# Altium PCB PCB3.PcbDoc (continued)
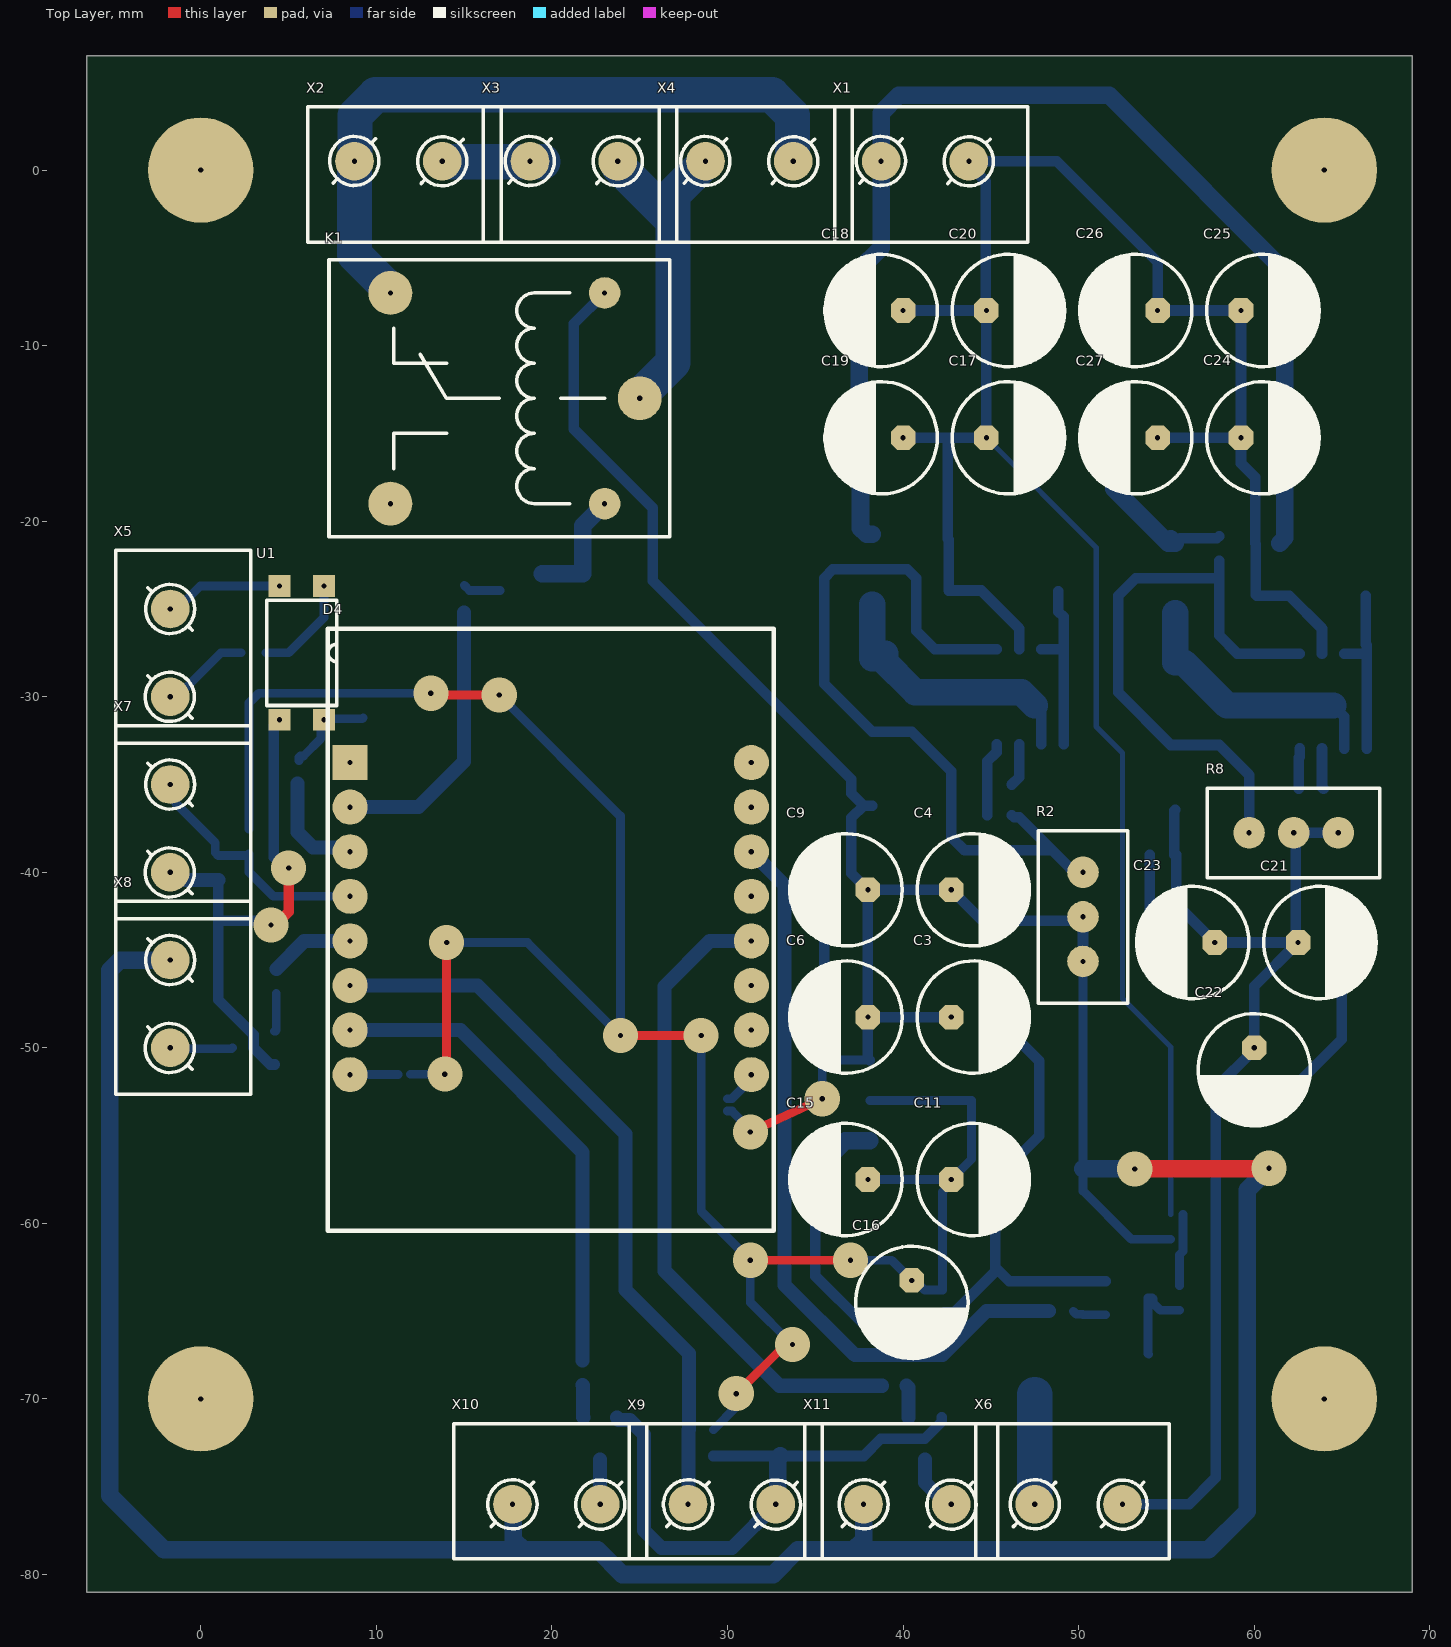
[diagram p0: Top Layer view]
## Components (designator, comment, footprint, x,y, rotation, side; value= is the part's Value field where it differs from the comment) (continued)
X3 "Terminal connector, 2pin, 3.5mm, 300VAC, 10A" "CON: DG301-5.0-02P-12-00AH" 21.6,-0.2 r180 top
X4 "Terminal connector, 2pin, 3.5mm, 300VAC, 10A" "CON: DG301-5.0-02P-12-00AH" 31.6,-0.2 r180 top
X5 "Terminal connector, 2pin, 3.5mm, 300VAC, 10A" "CON: DG301-5.0-02P-12-00AH" -1.05,-27.15 r270 top
X6 "Terminal connector, 2pin, 3.5mm, 300VAC, 10A" "CON: DG301-5.0-02P-12-00AH" 49.65,-75.3 r0 top
X7 "Terminal connector, 2pin, 3.5mm, 300VAC, 10A" "CON: DG301-5.0-02P-12-00AH" -1.05,-37.15 r270 top
X8 "Terminal connector, 2pin, 3.5mm, 300VAC, 10A" "CON: DG301-5.0-02P-12-00AH" -1.05,-47.15 r270 top
X9 "Terminal connector, 2pin, 3.5mm, 300VAC, 10A" "CON: DG301-5.0-02P-12-00AH" 29.9,-75.3 r0 top
X10 "Terminal connector, 2pin, 3.5mm, 300VAC, 10A" "CON: DG301-5.0-02P-12-00AH" 19.9,-75.3 r0 top
X11 "Terminal connector, 2pin, 3.5mm, 300VAC, 10A" "CON: DG301-5.0-02P-12-00AH" 39.9,-75.3 r0 top

## Footprints (in the part's own frame and the unit in brackets; to place one, negate y for a bottom-side part, rotate by r counter-clockwise, add the part's x,y. Pads: shape width x height; smd on the part's side, far side on the other; paste and mask are expansions set on the pad)
4-DIP [mm]
  rect 1.25x1.25 hole 0.3: 1(-3.81,1.27) 2(-3.81,-1.27) 3(3.81,-1.27) 4(3.81,1.27)
  silkscreen extent -3,-2 3,2, body extent -4.58,-2.53 4.56,2.47, height 3.3
8-SOIC [mm] "pitch 1.27 mm"
  rrect100% 1.55x0.6 smd: 1(-2.7,1.905) 2(-2.7,0.635) 3(-2.7,-0.635) 4(-2.7,-1.905) 5(2.7,-1.905) 6(2.7,-0.635) 7(2.7,0.635) 8(2.7,1.905)
  round 0.7 on Mech1: 28(-2.395,1.8)
  silkscreen extent -2.82,-2.3 1.61,2.83, body extent -3,-2.45 3,2.45, height 1.75
"CAP: 0603" [mm]
  rect 0.85x0.85 smd: 1(-0.7,0) 2(0.7,0)
  silkscreen extent -1.33,-0.63 1.33,0.63, body extent -0.8,-0.4 0.8,0.4, height 0.3
"CAP: D6.3C2.5H11" [mm]
  oct 1.4x1.4 hole 0.3: 1(-1.25,0)
  round 1.4 hole 0.3: 2(1.25,0)
  silkscreen extent -3.2,-3.2 3.2,3.2, body extent -3.4,-3.4 3.4,3.4, height 12.5
CDRH [mm]
  rect 2x3 smd: 1(-4.2,0) 2(4.2,0)
  silkscreen extent -5.5,-5.25 5.5,5.25, body extent -5.05,-4.95 5.05,4.95, height 3.8
"CON: DG301-5.0-02P-12-00AH" [mm] "Клемма винтовая 2пин 5мм."
  round 2.2 hole 0.3: 1(-2.15,-0.7) 2(2.85,-0.7)
  round 0.5 on Top Overlay: ""(-4.5,-3)
  silkscreen extent -5.5,-3.8 5.5,3.9, body extent -5.25,-3.8 5.35,3.8, height 10
"CON: JUMPER x1" [mm]
  rect 0.5x1 smd: 1(0,0) 2(0.7,0)
  silkscreen extent -0.45,-0.7 1.15,0.7
"CON: JUMPER x2" [mm]
  rect 0.5x1 smd: 1(-0.35,-1.4) 2(0.35,-1.4) 3(-0.35,0) 4(0.35,0)
  silkscreen extent -0.8,-2.1 0.8,0.7
"DIODE: SMA" [mm]
  rect 1.7x2.5 smd: 1(-2,0) 2(2,0)
  round 0.5 on Mech1: ""(2,0.9)
  silkscreen extent -3.05,-1.45 3.1,1.45, body extent -2.5,-1.35 2.5,1.35, height 2.28
DPAK [mm]
  rect 2.5x1.2 smd: 1(-3.25,2.29) 3(-3.25,-2.29)
  rect 6.25x6.5 smd: 2(3.25,0)
  round 0.5 on Mech1: ""(-3.2,2.9)
  silkscreen extent -3.33,-3.3 -0.3,3.62, body extent -3.8,-3.32 6.3,3.42, height 2.37
"ESP8266MOD D1 mini" [mm] "module"
  rect 2x2 hole 0.3: 1(-11.43,8.89)
  round 2 hole 0.3: 2(-11.43,6.35) 3(-11.43,3.81) 4(-11.43,1.27) 5(-11.43,-1.27) 6(-11.43,-3.81) 7(-11.43,-6.35) 8(-11.43,-8.89) 9(11.43,-8.89) 10(11.43,-6.35) 11(11.43,-3.81) 12(11.43,-1.27) 13(11.43,1.27) 14(11.43,3.81) 15(11.43,6.35) 16(11.43,8.89)
  silkscreen extent -12.7,-17.78 12.7,16.51, body extent -13,-17.74 12.95,16.51, height 7.94
"REL: SRD-03VDC" [mm]
  round 1.8 hole 0.3: 1(6,-6) 2(6,6)
  round 2.5 hole 0.3: 3(8,0) 4(-6.2,6) 5(-6.2,-6)
  silkscreen extent -9.7,-7.9 9.7,7.9, body extent -9.6,-7.8 9.6,7.8, height 15.8
"RES: 0603" [mm]
  rect 0.85x0.85 smd: 1(-0.7,0) 2(0.7,0)
  silkscreen extent -1.33,-0.63 1.33,0.63, body extent -0.8,-0.4 0.8,0.4, height 0.44
"RES: 2512" [mm]
  rect 1x3.3 smd: 1(-3.1,0) 2(3.1,0)
  silkscreen extent -3.8,-1.85 3.8,1.85, body extent -3.17,-1.6 3.18,1.6, height 0.52
"RES: 3296W" [mm]
  round 1.8 hole 0.3: 1(0,0) 2(2.54,0) 3(5.08,0)
  round 0.5 on Top Overlay: ""(-2.85,2.325)
  silkscreen extent -2.37,-2.55 7.45,2.55, body extent -2.22,-2.4 7.31,2.4, height 11.55
SOT23 [mm]
  rect 1.1x0.6 smd: 1(-1.2,0.95) 2(-1.2,-0.95) 3(1.2,0)
  round 0.5 on Mech1: ""(-0.9,1.1)
  silkscreen extent -0.3,-1.5 0.7,1.5, body extent -1.32,-1.52 1.32,1.52, height 1.12
SOT223 [mm] "SOT223, 4-Leads, Body 6,50x7,00mm (avg), Pitch 2,30mm, IPC Medium Density"
  rect 2.4x1 smd: 1(-2.9,2.3) 2(-2.9,0) 3(-2.9,-2.3)
  rect 2.4x3.3 smd: 4(2.9,0)
  round 0.5 on Mech1: ""(-3,2.7)
  silkscreen extent -3.02,-3.2 1.3,3.47, body extent -3.48,-3.25 3.48,3.25, height 1.65

## Part data
C1 C2 C5 C8 C10 C13 C14: library part Ceramic_0603, Manufacturer=Yageo, Package=0603, PartNumber=CC0603KRX7R7BB104, Temperature=-55...+125°C, Tolerance=±10%, TypeCapacitor="Ceramic capacitor", TypeDielectric=X7R, Voltage=50V, HelpURL=https://www.digikey.com/product-detail/en/yageo/CC0603KRX7R7BB104/311-1088-1-ND/302998, ValueManufacturerPartNumber="Ceramic capacitor, 0.1μF, X7R, ±10%, 50V, 0603, -55...+125°C"
C3 C4 C6 C9 C11 C15 C16 C17 C18 C19 C20 C21 C22 C23 C24 C25 C26 C27: library part Aluminium, Manufacturer=Wurth, Package="14x10x5 mm", PartNumber=860080475013, Temperature=-55...+105°C, Tolerance=±20%, TypeCapacitor="Aluminium capacitor", Voltage=25V, HelpURL=https://www.digikey.com/product-detail/en/wurth-electronics-inc/860080475013/732-9029-1-ND/5728972, Impedance=54mOhm, ValueManufacturerPartNumber="Aluminium capacitor, 100μF, 25V, ±20%, 54mOhm, 14x10x5 mm, -55...+105°C"
C7 C12: library part Ceramic_0603, Manufacturer=Samsung, Package=0603, PartNumber=01584, Temperature=-55...+125°C, Tolerance=±10%, TypeCapacitor="Ceramic capacitor", TypeDielectric=X7R, Voltage=50V, HelpURL=https://belchip.by/product/?selected_product=01584, ValueManufacturerPartNumber="Ceramic capacitor, 300pF, X7R, ±10%, 50V, 0603, -55...+125°C"
D1 D3: library part MC34063, "DC TO DC CONVERTER / CONTROLLER", Manufacturer=UTC, Package=8-SOIC, Temperature=-40...+105°C, VoltageInput="max supply 40V", ComponentType="DC TO DC CONVERTER", HelpURL=https://belchip.by/product/?selected_product=18919, OutputType="Open drain", PartNumber=MC34063, ValueManufacturerPartNumber="DC TO DC CONVERTER, max supply 40V, Open drain, -40...+105°C, 8-SOIC"
D2: library part LDL1117S33R, "Linear voltage regulator", CurrentOutput=1.2A, Manufacturer=STMicroelectronics, Package=SOT223, Temperature=-40...+85°C, VoltageInput="input 3.9...18V", VoltageOutput="output 3.3V", ComponentType="Linear voltage regulator", HelpURL=https://www.digikey.com/product-detail/en/stmicroelectronics/LDL1117S33R/497-17239-1-ND/7102079, MaxDropout=0.6V, PartNumber=LDL1117S33R, ValueManufacturerPartNumber="Linear voltage regulator, input 3.9...18V, 0.6V, output 3.3V, 1.2A, -40...+85°C, SOT223"
D4: library part "ESP8266MOD D1 mini", "module", Manufacturer="Espressif Systems", Package=21x16mm, PartNumber=ESP-07, Temperature=-40...+85°C, ComponentType="Wi-Fi module", Core="8 bit", HelpURL=https://www.chipdip.ru/product/esp-07, TypeInterface=SDIO/SPI/UART, TypeStandart="802.11 b/g/n", ValueManufacturerPartNumber="Wi-Fi module, 802.11 b/g/n, 8 bit, SDIO/SPI/UART, -40...+85°C, 21x16mm"
J1: library part Jumper_double, CommentText="\"Перемычка\""
J2 J3: library part Jumper_single, CommentText="\"Перемычка\""
K1: library part Relay_SRD-03VDC, Manufacturer="Ningbo Songle", MaxCurrent=10A, Package=1NO, PartNumber=SRD-03VDC, Temperature=-40...+85°C, VoltageControlCoil=3VDC, VoltageMax=250VAC, HelpURL=https://lcsc.com/product-detail/Relays_SRD-03VDC-SL-C_C24585.html, TypeRelay="Electromechanics relay", ValueManufacturerPartNumber="Electromechanics relay, 3VDC, 250VAC, 10A, 1NO, -40...+85°C"
L1 L2: library part Inductor_CDRH, Manufacturer=Bourns, MaxCurrent=3A, Package=CDRH101R, PartNumber=CDRH, Temperature=-40...+150°C, Tolerance=±20%, TypeInductor="Fixed inductor", HelpURL=https://aliexpress.ru/item/32956142172.html?spm=a2g0s.9042311.0.0.f06533edih9Buf, ValueManufacturerPartNumber="Fixed inductor, 100μH, ±20%, CDRH101R, 3A, -40...+150°C"
R1 R4: library part Resistor_2512, Manufacturer=Yageo, Package=2512, PartNumber=RC2512JK-07100RL, Power=1W, Temperature=-55...+125°C, Tolerance=±5%, TypeResistor="Resistor film", HelpURL=https://www.digikey.com/product-detail/en/yageo/RC2512JK-07100RL/YAG3393CT-ND/5962215, ValueManufacturerPartNumber="Resistor film, 0.68R, ±5%, 2512, 1W, -55...+125°C"
R2 R8: library part Trimmer, Manufacturer=Bourns, Package=3296W, PartNumber=3296W-1-103LF, Power=0.5W, Temperature=-55...+125°C, Tolerance=±10%, TypeResistor="Resistor film", HelpURL=https://www.digikey.com/product-detail/en/bourns-inc/3296W-1-103LF/3296W-103LF-ND/1088045
  R2: ValueManufacturerPartNumber="Resistor film, 22k, ±10%, 3296W, 0.5W, -55...+125°C"
  R8: ValueManufacturerPartNumber="Resistor film, ?, ±10%, 3296W, 0.5W, -55...+125°C"
R3 R5 R6 R7 R9 R10 R11 R12 R13 R14 R15 R16 R17: library part Resistor_0603, Manufacturer=Yageo, Package=0603, PartNumber=RC0603JR-07100RL, Power=0.1W, Temperature=-55...+125°C, Tolerance=±5%, TypeResistor="Resistor film", HelpURL=https://www.digikey.com/product-detail/en/yageo/RC0603JR-07100RL/311-100GRCT-ND/729644
  R3 R10: ValueManufacturerPartNumber="Resistor film, ?, ±5%, 0603, 0.1W, -55...+125°C"
  R5 R9 R12 R14: ValueManufacturerPartNumber="Resistor film, 4,7K, ±5%, 0603, 0.1W, -55...+125°C"
  R6 R7 R11 R13 R15 R16 R17: ValueManufacturerPartNumber="Resistor film, 100R, ±5%, 0603, 0.1W, -55...+125°C"
U1: library part LTV-817, "Optoisolator", Manufacturer=Lite-On, Package=4-SMD, PartNumber=LTV-817S, Temperature=-40...+125°C, ComponentType="IC optoisolator", DataRate=4µs/3µs, HelpURL=https://www.digikey.com/product-detail/en/lite-on-inc/LTV-817S/160-1367-5-ND/385837, Isolation=5000Vrms, Supply=35V, ValueManufacturerPartNumber="IC optoisolator, 4µs/3µs, 5000Vrms, 35V, -40...+125°C, 4-SMD"
VD1 VD2: library part Schottky_single, Current=1000mA, Manufacturer="Diodes Incorporated", Package=SOD-123, PartNumber=M1, Temperature=-55...+150°C, Voltage=50V, VoltageDrop=1V, HelpURL=https://www.chipdip.by/product/m1-diod?from=suggest_product, RecoveryTime=15pF, TypeDiode="Schottky diode", ValueManufacturerPartNumber="Schottky diode, 50V, 1000mA, 1V, 15pF, SOD-123, -55...+150°C"
VD3: library part Diode_single, Current=150mA, Manufacturer="Micro Commercial", Package=SOD-323, PartNumber=1N4148WX-TP, Temperature=-55...+150°C, Voltage=75V, VoltageDrop=1V, HelpURL=https://www.digikey.com/product-detail/en/micro-commercial-co/1N4148WX-TP/1N4148WXTPMSCT-ND/717312, RecoveryTime=4ns, TypeDiode="Single diode", ValueManufacturerPartNumber="Single diode, 75V, 150mA, 1V, 4ns, SOD-323, -55...+150°C"
VT1: library part MOSFET_N_123, CurrentDS=7A, InputCapacitor=756pF, Manufacturer="Infineon Technologies", MaxPower=2.5W, Package=8-TDSON, PartNumber=BSC340N08NS3GATMA1, Temperature=-55...+150°C, VoltageDS=80V, GateCharge=9.1nC, HelpURL=https://www.digikey.com/product-detail/en/infineon-technologies/BSC340N08NS3GATMA1/BSC340N08NS3GATMA1TR-ND/2080655, RDS=34mOhm, TypeTransistor="MOSFET N-channel transistor", ValueManufacturerPartNumber="MOSFET N-channel transistor, 80V, 7A, 9.1nC, 2.5W, 34mOhm, 756pF, 8-TDSON, -55...+150°C"
VT2 VT3 VT4 VT5 VT6: library part BJT_NPN_132, CurrentCE=100mA, CurrentGain=420, Frequency=100MHz, Manufacturer="ON Semiconductor", MaxPower=300mW, Package=SOT-23, PartNumber=BC847CLT1G, Temperature=-55...+125°C, VoltageCE=45V, VoltageSaturation=0.6V, HelpURL=https://www.digikey.com/product-detail/en/on-semiconductor/BC847CLT1G/BC847CLT1GOSCT-ND/917836, TypeTransistor="NPN transistor", ValueManufacturerPartNumber="NPN transistor, 45V, 100mA, 100MHz, 300mW, 0.6V, 420, SOT-23, -55...+125°C"
X1 X2 X3 X4 X5 X6 X7 X8 X9 X10 X11: library part Connector_terminal_2pin, CurrentMax=10A, Manufacturer=Degson, PartNumber=DG350-3.5-02P-14, VoltageMax=300VAC, HelpURL=https://www.chipdip.ru/product/dg350-3.5-02p-12, Multichannel=2pin, Pitch=3.5mm, TypeConnector="Terminal connector", ValueManufacturerPartNumber="Terminal connector, 2pin, 3.5mm, 300VAC, 10A"
  X1: CommentText="\"Разъем 24В от принтера\""
  X2: CommentText="\"Разъем сетевой\""
  X3: CommentText="\"Разъем сетевой на принтер\""
  X4: CommentText="\"Разъем кнопки Старт\""
  X5: CommentText="\"Разъем от концевика\""
  X6: CommentText="\"Разъём светодиодов подсветки\""
  X7: CommentText="\"Разъём кнопки включения подсветки\""
  X8: CommentText="\"Разъём подсветки кнопки Старт\""
  X9: CommentText="\"Разъём кнопки включения триггера\""
  X10: CommentText="\"Разъём подвсетки кнопки\""
  X11: CommentText="\"Разъём подсветки кнопки Триггер\""

## Free pads (board coordinates)
  round 6 hole 0.3: 0(0,-70) 0(0,0) 0(64,-70) 0(64,0)

## Via types
v1: diameter 2, hole 0.3, Top Layer to Bottom Layer, tented both sides, 16 vias

## Nets (pads, with @x,y where several pads share a name; then routed paths per layer and width w, separated by ;. In a path a pad name is that pad's centre, name@x,y a point inside that pad or via, vN(x,y) a via of type N, cw(c..) or ccw(c..) an arc to the next point about the centre after c; other vN are vias at no path point)
+3.3: C2.2 C11.1 C15.1 C16.1 D2.2 D2.4 J2.2 R5.2 R12.2 R14.2 | length 130.8
  Top Layer w0.5: v1(13.1,-29.8) 13.2,-29.9 v1(17,-29.9) ; v1(13.9,-51.5) 14,-51.4 v1(14,-44) ; v1(23.9,-49.3) v1(28.5,-49.3) ; v1(30.5,-69.7) 33.3,-66.9 v1(33.7,-66.9) ; v1(31.3,-62.1) v1(37,-62.1)
  Bottom Layer w0.5: R12.2 2.75,-30.35 3.3,-29.8 R5.2 v1(13.1,-29.8) v1@13.3,-29.8 ; J2.2 v1(13.9,-51.5) ; v1(14,-44) 18.6,-44 v1(23.9,-49.3) 23.9,-36.8 v1(17,-29.9) ; v1(28.5,-49.3) 28.5,-59.3 v1(31.3,-62.1) 31.3,-64.5 v1(33.7,-66.9) ; R14.2 30.5,-70.45 v1(30.5,-69.7) ; v1(37,-62.1) 39.35,-62.1 C16.1 40.693,-63.25 41.243,-63.8 C2.2 42.25,-58.204 42.75,-57.704 C11.1 ; C15.1 C11.1 ; D2.2 D2.4 43.9,-56.35 C11.1
+5: C1.2 C3.1 C4.1 C6.1 C9.1 D2.3 J1.2 J3.2 K1.2 L1.1 R2.1 R2.2 VD3.2 X8.1 X10.1 X11.1 | length 241.2
  Top Layer w0.5: v1(31.3,-54.8) v1(35.4,-52.9)
  Top Layer w1: v1(53.2,-56.9) 60.8,-56.9 v1(60.84,-56.86)
  Bottom Layer w0.5: J3.2 30.25,-53.6 31.3,-54.65 v1(31.3,-54.8) ; v1(35.4,-52.9) 35.4,-51.1 35.8,-50.7 D2.3 ; R2.1 50.25,-56.9 50.25,-58.15 53,-60.9 J1.2
  Bottom Layer w0.6: K1.2 21.25,-8.75 21.25,-14.75 25.75,-19.25 VD3.2 25.75,-23.4 37.05,-34.7 37.05,-35.5 L1.1@37.75,-36.2 ; D2.3 38,-50.6 C6.1 ; L1.1 L1.1@37.75,-36.2 ; C3.1 C6.1 ; R2.1 R2.2 50.04,-42.75 44.5,-42.75 C4.1 C9.1 ; L1.1@37.75,-36.2 37.05,-36.9 37.05,-39 37.05,-40.05 C9.1 ; C6.1 C9.1
  Bottom Layer w1: X8.1 -4.614,-45 -5.2,-45.586 -5.2,-75.5 -2.1,-78.6 18.386,-78.6 ; X10.1 17.8,-76.05 17.8,-78.014 18.386,-78.6 ; X11.1 37.75,-78.014 37.164,-78.6 ; 50.25,-56.9 v1(53.2,-56.9) ; v1(60.84,-56.86) 59.6,-58.1 59.6,-76.4 57.4,-78.6 37.164,-78.6 ; 18.386,-78.6 22.6,-78.6 24,-80 32.6,-80 34,-78.6 37.164,-78.6
+12: C5.2 C10.2 C17.1 C18.1 C19.1 C20.1 C24.1 C25.1 C26.1 C27.1 D1.6 D3.6 J1.4 R1.1 R4.1 X1.1 | length 137
  Bottom Layer w0.3: C17.1 51,-21.5 51,-31.7 52.5,-33.2 52.5,-47.2 55.25,-49.95 J1.4
  Bottom Layer w0.6: C19.1 42.5,-15.25 ; C18.1 C20.1 ; D1.6 46.615,-26.115 44.45,-23.95 42.6,-23.95 42.6,-21.05 C5.2 42.55,-15.3 42.5,-15.25 ; C27.1 C24.1 ; D3.6 63.865,-26.115 62,-24.25 R4.1 60.1,-24.2 60.1,-21.3 C10.2 60.05,-17.5 59.25,-16.7 C24.1 ; 42.5,-15.25 C17.1 C20.1 ; C20.1 44.7,-7.95 44.7,-0.651 43.75,0.299 X1.1 48.75,0.5 54.5,-5.25 C26.1 C25.1 C24.1
+LED: C8.2 C21.1 C22.1 C23.1 L2.1 R8.1 R8.2 X6.2 | length 60.5
  Bottom Layer w0.6: X6.2 56.3,-76 57.8,-74.5 57.8,-52.3 60,-50.1 60,-46.5 C21.1 ; C8.2 55.45,-36.5 L2.1 ; C8.2@55.55,-39 55.55,-41.8 C23.1 C21.1 ; R8.1 R8.2 62.375,-37.875 62.375,-43.875 C21.1
GND: C1.1 C2.1 C3.2 C4.2 C5.1 C6.2 C7.1 C8.1 C9.2 C10.1 C11.2 C12.1 C13.1 C14.1 C15.2 C16.2 C17.2 C18.2 C19.2 C20.2 C21.2 C22.2 C23.2 C24.2 C25.2 C26.2 C27.2 D1.4 D2.1 D3.4 D4.10 R3.1 R10.1 U1.3 VD1.1 VD2.1 VT1.3 VT2.2 VT3.2 VT4.2 VT5.2 VT6.2 X1.2 X7.2 X9.2 | length 220.5
  Top Layer w0.6: v1@4.25,-43 5,-42.25 v1(5,-39.75)
  Bottom Layer w0.6: C13.1 1,-42.75 ; v1(4,-43) 3.75,-42.75 1,-42.75 ; VT4.2 3.95,-50.95 3,-50 3,-49.25 1,-47.25 1,-42.75 ; U1.3 4.155,-31.635 4.155,-39.155 v1@4.75,-39.75 ; C14.1 33,-73.25 37.75,-73.25 38.725,-72.275 41.225,-72.275 42.2,-71.3 VT6.2 ; C15.2 35.5,-57.716 35,-58.216 35,-63 37.75,-65.75 C16.2 40.671,-65.75 41.221,-65.2 C2.1 42.375,-65.075 42.925,-65.075 45.375,-62.625 ; C6.2 C9.2 35.525,-40.975 35.525,-39.025 C1.1 ; R3.1 C7.1 44.8,-33.675 45.3,-33.175 45.345,-33.175 D1.4 ; C3.2 47.75,-50.75 47.75,-55 C11.2 45.25,-62.5 46.05,-63.3 VT2.2 ; C8.1 54.05,-42.8 C23.2 ; VD2.1 55.775,-20.975 57.875,-20.975 R10.1 ; C22.2 62,-52.5 65,-49.5 C21.2 ; C12.1 62.55,-33.47 62.595,-33.425 D3.4
  Bottom Layer w0.8: X7.2 -1.371,-40 -0.921,-40.45 C13.1 ; VT5.2 23.8,-71.15 23.8,-71.2 24.431,-71.2 25.25,-72.019 25.25,-77.5 26.25,-78.5 30.25,-78.5 X9.2
  Bottom Layer w1: X9.2 32.85,-75.9 32.85,-73.4 33,-73.25 ; C15.2 35.556,-57.444 35.556,-56.444 36.7,-55.3 D2.1 ; VD1.1 37.927,-20.75 37.577,-20.4 37.577,-15.327 C19.2 C18.2 37.5,-5.664 38.75,-4.414 X1.2 38.75,3.25 39.75,4.25 51.75,4.25 62.75,-6.75 ; C27.2 52,-18.15 55.1,-21.25 VD2.1 VD2.1@55.25,-21 ; C10.1 61.75,-20.95 C24.2 C25.2
NetC7_2: C7.2 D1.3 | length 2.5
  Bottom Layer w0.6: C7.2 46.615,-34.585 D1.3
NetC12_2: C12.2 D3.3 | length 2.3
  Bottom Layer w0.6: D3.3 63.865,-35.165 C12.2
NetC13_2: C13.2 D4.4 R12.1 X7.1 | length 14.4
  Bottom Layer w0.5: X7.1 -1.425,-35.325 -1.425,-36.075 0.825,-38.325 0.825,-38.875 C13.2 2.75,-39.05 R12.1 2.75,-40 4.12,-41.37 D4.4
NetC14_2: C14.2 D4.6 R14.1 X9.1 | length 41.8
  Bottom Layer w0.8: D4.6 15.75,-46.45 24.2,-54.9 24.2,-63.8 27.8,-67.4 R14.1 27.775,-71.775 27.775,-73.25 27.775,-75.975 X9.1
NetD1_1: D1.1 D1.7 D1.8 R1.2 | length 10.1
  Bottom Layer w0.6: D1.7 D1.8 ; R1.2 48.85,-25.15 49.155,-25.455 D1.8 ; D1.1 D1.8
NetD1_2: D1.2 L1.2 VD1.2 | length 16.1
  Bottom Layer w0.6: 47.5,-30.5 47.885,-30.885 D1.2
  Bottom Layer w1.5: VD1.2 L1.2 L1.2@38.75,-27.8 ; L1.2@39,-27.55 L1.2@38.75,-27.8 ; 47.5,-30.5 46.75,-29.75 40.7,-29.75 L1.2@38.75,-27.8
NetD1_5: D1.5 R2.3 R3.2 | length 44.2
  Bottom Layer w0.6: D1.5 41.8,-27.3 40.75,-26.25 40.75,-23.25 40.25,-22.75 36,-22.75 35.5,-23.25 35.5,-29.25 38.25,-32 40.5,-32 42.75,-34.25 42.75,-38 43.5,-38.75 48.5,-38.75 ; R3.2 46.325,-36.875 46.625,-36.875 48.5,-38.75 ; R2.3@49.52,-39.8 50.05,-39.8 R2.3 ; R2.3@49.52,-39.77 48.5,-38.75
NetD3_1: D3.1 D3.7 D3.8 R4.2 | length 10
  Bottom Layer w0.6: D3.7 D3.8 ; R4.2 66.35,-27.02 66.405,-27.075 D3.8 ; D3.1 D3.8
NetD3_2: D3.2 L2.2 VD2.2 | length 15.5
  Bottom Layer w0.6: 64.5,-30.5 65.135,-31.135 D3.2
  Bottom Layer w1.5: VD2.2 L2.2 56,-28.05 58.45,-30.5 64.5,-30.5
NetD3_5: D3.5 R8.3 R10.2 | length 33.6
  Bottom Layer w0.6: R10.2 58,-23.25 ; R8.3 59.71,-34.46 58,-32.75 55.25,-32.75 52.25,-29.75 52.25,-24.25 53.25,-23.25 58,-23.25 ; D3.5 59.05,-27.55 58,-26.5 58,-23.25
NetD4_2: D4.2 R13.2 | length 16.1
  Bottom Layer w0.8: D4.2 12.41,-36.29 15,-33.7 R13.2
NetD4_3: D4.3 R7.1 | length 6.2
  Bottom Layer w0.8: R7.1 5.5,-37.7 6.4,-38.6 8.27,-38.6 D4.3
NetD4_5: D4.5 R15.2 | length 4.9
  Bottom Layer w0.8: R15.2 5.89,-43.91 D4.5
NetD4_7: D4.7 D4.13 R16.2 | length 28
  Bottom Layer w0.8: D4.7 14.79,-48.99 21.75,-55.95 R16.2
NetD4_8: D4.8 J2.1 | length 2.8
  Bottom Layer w0.5: D4.8 8.515,-51.515 11.25,-51.515 J2.1
NetD4_9: D4.9 J3.1 | length 2.1
  Bottom Layer w0.5: J3.1 30.25,-52.9 31.36,-51.79 D4.9
NetD4_12: D4.11 D4.12 R17.2 | length 37.3
  Bottom Layer w0.8: D4.12 28.99,-43.91 26.4,-46.5 26.4,-62.7 32.95,-69.25 R17.2
NetD4_14: D4.14 R11.2 | length 43.2
  Bottom Layer w0.8: D4.14 33.25,-40.72 33.25,-63.5 37.25,-67.5 42.25,-67.5 44.75,-65 R11.2
NetJ1_1: J1.1 J1.3 R9.2 | length 4.1
  Bottom Layer w0.5: R9.2 55.75,-61.786 55.95,-61.586 J1.1 J1.3
NetK1_1: K1.1 VD3.1 VT3.3 | length 6.8
  Bottom Layer w1: VT3.3 VD3.1 21.75,-20.25 K1.1
NetK1_3: K1.3 X3.1 X4.2 | length 19.8
  Bottom Layer w2: X3.1 23.788,0.462 23.788,0.212 26.9,-2.9 ; K1.3 25,-12.865 26.9,-10.965 26.9,-2.9 ; X4.2 28.75,0.446 26.9,-1.404 26.9,-2.9
NetK1_4: K1.4 X2.2 X4.1 | length 39.5
  Bottom Layer w2: K1.4 10.8,-6.865 8.75,-4.815 X2.2 8.788,0.538 8.788,3.117 9.96,4.288 32.54,4.288 33.712,3.117 33.712,0.538 X4.1
NetR5_1: R5.1 R7.2 U1.4 | length 5.2
  Bottom Layer w0.5: R7.2@5.595,-33.63 5.595,-33.455 5.675,-33.375 5.85,-33.375 6.833,-32.392 6.833,-31.497 U1.4 ; U1.4@7.075,-31.255 9.195,-31.255 R5.1
NetR6_1: R6.1 X5.2 | length 5.2
  Bottom Layer w0.5: X5.2@-1.7,-30.35 1.15,-27.5 R6.1
NetR6_2: R6.2 U1.1 | length 5.9
  Bottom Layer w0.5: R6.2 5,-27.5 7.02,-25.48 U1.1
NetR9_1: R9.1 VT1.1 VT2.3 | length 5.5
  Bottom Layer w0.5: VT1.1 53.95,-67.41 VT2.3 54.2,-64.25 54.25,-64.3 54.25,-64.55 54.65,-64.95 R9.1
NetR11_1: R11.1 VT2.1 | length 1.9
  Bottom Layer w0.5: R11.1 49.875,-65.175 50.225,-65.175 50.25,-65.2 VT2.1
NetR13_1: R13.1 VT3.1 | length 2.2
  Bottom Layer w0.5: R13.1@15,-23.65 15.3,-23.95 VT3.1
NetR15_1: R15.1 VT4.1 | length 2.2
  Bottom Layer w0.5: VT4.1 4.25,-49.05 4.3,-49 R15.1
NetR16_1: R16.1 VT5.1 | length 1.9
  Bottom Layer w0.8: R16.1 21.775,-69.225 21.775,-71.025 VT5.1
NetR17_1: R17.1 VT6.1 | length 1.8
  Bottom Layer w0.8: R17.1 40.3,-69.35 VT6.1
NetU1_2: U1.2 X5.1 | length 6.9
  Bottom Layer w0.5: X5.1@-1.7,-25.35 -0.04,-23.69 U1.2
NetVT1_2: VT1.2 X6.1 | length 6.3
  Bottom Layer w2: X6.1 VT1.2
NetVT4_3: VT4.3 X8.2 | length 3.5
  Bottom Layer w0.5: X8.2@-1.75,-50.25 X8.2@-1.7,-50.2 ; X8.2@-1.65,-50.05 1.75,-50.05 VT4.3
NetVT5_3: VT5.3 X10.2 | length 2.6
  Bottom Layer w0.8: X10.2 VT5.3
NetVT6_3: VT6.3 X11.2 | length 3.3
  Bottom Layer w0.8: VT6.3 41.25,-74.75 42.5,-76 X11.2
NetX2_1: X2.1 X3.2 | length 5.8
  Bottom Layer w2: X2.1 13.775,0.475 X3.2@18.75,0.475 ; X3.2@18.75,0.45 X3.2@18.75,0.475 ; X3.2@19.5,0.475 X3.2@18.75,0.475
pads on no net: D1.28 D2. D3.28 D4.1 D4.15 D4.16 K1.5 R2. R8. VD1. VD2. VD3. VT1. VT2. VT3. VT4. VT5. VT6. X1. X2. X3. X4. X5. X6. X7. X8. X9. X10. X11.

## Polygon pours and split planes (outlines as drawn)
GND on Bottom Layer "GND_TOP_2" (solid, pour order 14): -7,-22 28,-22 30,-20 69,-20 69,-81 -7,-81
GND on Bottom Layer "GND_TOP_2" (solid, pour order 13): 41.5,3.25 40.5,2.25 40.5,-3.75 38,-6.25 38,-17.25 39.25,-18.5 39.25,-21.5 35.75,-21.5 35,-20.75 35,-2.75 36.5,-1.25 36.5,2.75 38.5,4.75 41.5,4.75
GND on Bottom Layer "GND_TOP_2" (solid, pour order 12): 51.75,2.75 38.75,2.75 38.75,3.25 39.75,4.25 51.375,4.25
GND on Bottom Layer "GND_TOP_2" (solid, pour order 11): 61.25,-6.995 61.245,-6.995 50.25,4 50.5,4.25 52.25,4.25 62.75,-6.25
no net on Bottom Layer "GND_TOP_2" (solid, pour order 10): 38.75,0.5
GND on Bottom Layer "GND_TOP_2" (solid, pour order 9): 52.5,-17.25 52.5,-18 55,-20.5 56,-20.5 56.5,-21 59,-21 59,-17.5 58.5,-17 51.75,-17
GND on Bottom Layer "GND_TOP_2" (solid, pour order 8): 43.75,-17.25 45.5,-17.25 49.25,-21 49.25,-21.5 49,-21.75 43.75,-21.75
NetD3_1 on Bottom Layer "GND_TOP_2" (solid, pour order 7): 65,-23.25 65.75,-22.5 67,-22.5 67.5,-23 67.5,-33 66.75,-33.75 66.25,-33.75 66,-33.5 66,-29.25 65,-28.25
no net on Bottom Layer "GND_TOP_2" (solid, pour order 6): 61.75,-22.75
GND on Bottom Layer "GND_TOP_2" (solid, pour order 5): 61.25,-6.75 62.25,-5.75 66.75,-5.75 67.75,-6.75 67.75,-17.75 63.75,-21.75 61.25,-21.75
GND on Bottom Layer "GND_TOP_2" (solid, pour order 4): 47,-16.5 52.5,-22 54.5,-22 54.5,-21 51.75,-18.25 51.75,-16.5
GND on Bottom Layer "GND_TOP_2" (solid, pour order 3): 46,-6.5 46.5,-6 51.5,-6 53,-7.5 53,-16 52.5,-16.5 47,-16.5 46,-15.5
+12 on Bottom Layer "GND_TOP_2" (solid, pour order 2): 49,2 55.5,-4.5 55.5,-7 60,-7 60,-16.5 53.5,-16.5 53.5,-7 52,-5.5 46,-5.5 45.5,-6 45.5,-16 45,-16.5 39.5,-16.5 39,-16 39,-7.5 42,-4.5 42,1.5 42.5,2
no net on Bottom Layer "GND_TOP_2" (solid, pour order 0): 32.5,-38.8

## Other copper
Bottom Layer:
  pour cut-out: 9.591,-51.028 12.803,-51.013 13.9,-50.201 14.818,-50.582 15.199,-51.5 16.225,-51.225 14.521,-49.639 9.53,-49.639 9.418,-50.612
  pour cut-out: 8.5,-52.829 13.9,-52.799 13.475,-51.4 9,-51.475
  pour cut-out: 9.53,-47.099 15.481,-47.099 23.551,-55.169 23.551,-63.8 22.4,-63.8 22.4,-63.3 22.399,-55.95 22.209,-55.491 15.249,-48.531 14.79,-48.341 9.53,-48.369
  pour cut-out: 32.401,-55.279 32.601,-55.319 32.601,-61.581 32.401,-61.621 32.218,-61.182 31.3,-60.801 30.869,-60.98 28.987,-59.098 28.987,-50.397 30.4,-49.95 30.978,-50.189 30.442,-50.612 30.061,-51.53 30.316,-52.145 30.048,-52.413 29.91,-52.45 29.3,-52.45 29.3,-54.05 29.91,-54.05 30.048,-54.087 30.224,-54.263
  pour cut-out: 30.061,-46.45 30.168,-48.59 30.4,-48.03 30.978,-47.791 30.978,-47.591
  pour cut-out: 30.061,-33.75 30.061,-41.37 30.125,-46.25 31.85,-45.5 31.175,-33.475
  pour cut-out: 7.201,-46.45 7.47,-44.559 8.189,-45.08 8.189,-45.28
  pour cut-out: 7.201,-46.45 7.201,-51.53 7.582,-52.448 8.5,-52.829 9.418,-52.448 9.418,-50.612 9.53,-49.639 9.53,-47.099
  pour cut-out: 7.32,-32.358 7.32,-32.135 7.845,-32.135 7.845,-31.742 8.625,-31.742 9.875,-31.825 9.875,-30.487 10.018,-30.287 12.003,-30.287 12.182,-30.718 13.1,-31.099 14.154,-30.39 14.351,-30.429 14.351,-33.431 12.141,-35.641 9.53,-35.641 8.884,-35.15
  pour cut-out: 15.649,-30.298 15.849,-30.258 16.082,-30.818 17,-31.199 17.431,-31.02 23.413,-37.002 23.413,-47.863 23.228,-47.939 18.944,-43.656 18.6,-43.513 15.097,-43.513 14.918,-43.082 14,-42.701 13.082,-43.082 12.701,-44 13.082,-44.918 14,-45.299 14.042,-45.651 13.909,-45.801 9.53,-45.801 9.418,-45.532 8.811,-45.28 8.811,-45.08 9.418,-44.828 9.799,-43.91 9.418,-42.992 8.811,-42.74 8.811,-42.54 9.418,-42.288 9.799,-41.37 9.418,-40.452 8.811,-40.2 8.811,-40 9.418,-39.748 9.799,-38.83 9.418,-37.912 8.811,-37.66 8.811,-37.46 9.418,-37.208 9.53,-36.939 12.41,-36.939 12.869,-36.749 15.459,-34.159 15.649,-33.7 15.65,-31.25
  pour cut-out: 25.751,-62.7 25.751,-46.5 24.387,-48.203 24.818,-48.382 25.199,-49.3 24.818,-50.218 23.9,-50.599 22.982,-50.218 22.601,-49.3 22.775,-49.075 22.78,-48.869 18.398,-44.487 15.097,-44.487 14.918,-44.918 14,-45.299 14.075,-45.925 15.75,-45.801 16.209,-45.991 24.659,-54.441 24.849,-54.9 24.849,-63.531
  pour cut-out: 28.575,-71.125 29.136,-71.125 29.592,-70.669 29.201,-69.7 29.582,-68.782 30.5,-68.401 31.183,-68.684 31.296,-68.514 25.941,-63.159 25.751,-62.7 24.849,-63.531 28.259,-66.941 28.449,-67.4 28.449,-70.977
  pour cut-out: 17.854,-22.6 19.2,-22.6 20.7,-22.242 20.7,-22 17.854,-22
  pour cut-out: 22.8,-22 24.7,-22 24.7,-24.45 22.8,-24.45
  pour cut-out: 45.3,-51.15 45.3,-54.85 39.5,-54.85 39.5,-51.15
  pour cut-out: 6.125,-33.748 7.1,-32.814 7.3,-32.897 7.3,-34.95 8.077,-34.95 8.116,-35.15 7.582,-35.372 7.201,-36.29 7.582,-37.208 8.189,-37.46 8.189,-37.66 7.565,-37.951 6.669,-37.951 6.149,-37.431
  pour cut-out: 50.825,-66.3 50.825,-65.5 45.275,-65.5 45.019,-65.649 44.553,-66.115 44.63,-66.3 50.35,-66.3
  pour cut-out: 27.049,-49.456 27.249,-49.417 27.582,-50.218 28.013,-50.397 28.013,-59.3 28.156,-59.644 30.18,-61.669 30.001,-62.1 30.382,-63.018 30.813,-63.197 30.813,-64.5 30.956,-64.844 32.58,-66.469 32.401,-66.9 32.782,-67.818 33.7,-68.199 34.618,-67.818 34.999,-66.9 34.681,-66.132 34.85,-66.019 36.791,-67.959 37.25,-68.149 42.25,-68.149 42.709,-67.959 43.99,-66.678 44.175,-66.755 44.175,-68.625 38.859,-68.625 38.8,-68.601 33.219,-68.601 27.049,-62.431 27.05,-49.8
  pour cut-out: 63.324,-27.045 63.324,-26.339 61.776,-24.791 60.85,-24.791 60.85,-26.1 59.45,-26.1 59.45,-22.4 59.559,-22.4 59.559,-21.875 59.425,-21.875 59.525,-21.25 58.679,-21.25 58.679,-21.529 58.625,-21.707 58.625,-22.875 58.541,-22.875 58.541,-26.276 59.274,-27.009 62.081,-27.009 62.212,-26.692 62.595,-26.534 62.978,-26.692 63.136,-27.075
  pour cut-out: 63.525,-27.075
  pour cut-out: 53.5,-15.964 53.7,-15.881 54.023,-16.204 54.1,-16.204 54.125,-16.625 53.5,-16.5
  pour cut-out: 52.4,-16.117 52.73,-15.98 52.747,-15.94 52.953,-15.966 52.963,-16.037 52.5,-16.5
  pour cut-out: 46.348,-15.565 46.217,-15.25 46.52,-14.52 45.925,-14.3 46,-15.5 46.178,-15.678
  pour cut-out: 47.261,-16.5 47,-16.5 46.822,-16.322 46.935,-16.152 47.25,-16.283
  pour cut-out: 43.772,-20 43.75,-17.25 45.5,-17.25 48.964,-20
  pour cut-out: 43.55,-20.321 43.271,-20.321 43.091,-20.272 43.091,-20 43.75,-20
  pour cut-out: 62.995,-32.041 63,-31.525 64.5,-31.528 64.594,-31.591 64.594,-32.445 64.406,-32.475 63.367,-32.37 63.151,-32.37
  pour cut-out: 58.383,-32.367 58.45,-31.528 57.723,-31.227 55.746,-29.25 53.8,-29.25 54.472,-26.85 56.528,-26.85 57.2,-27.796 58.876,-29.472 65.584,-30.834 65.784,-30.772 65.784,-29.34 65.215,-28.682 65.08,-28.543 64.594,-28.025 63.136,-28.025 62.081,-28.091 59.05,-28.091 57.459,-26.5 57.459,-23.791 53.474,-23.791 52.791,-24.474 52.791,-29.526 55.474,-32.209
  pour cut-out: 62,-23.709 64.85,-23.7 64.805,-26.454 64.803,-26.54 64.594,-27.075 64.406,-27.045 64.406,-26.115 63.275,-24.875
  pour cut-out: 60.641,-22.4 60.641,-22.075 60.771,-21.929 61.05,-21.929 60.85,-22.4
  pour cut-out: 60.591,-20 60.591,-20.522 60.771,-20.571 61.05,-20.571 61.25,-20
  pour cut-out: 48.614,-27.841 48.614,-30.184 48.414,-30.224 48.227,-29.773 47.477,-29.023 46.75,-28.722 41.126,-28.722 40.007,-27.602 39.95,-27.361 39.95,-26.6 39.278,-26.6 39.278,-25.8 39.7,-25.8 39.7,-23.7 36.8,-23.7 36.8,-25.8 37.222,-25.8 37.222,-26.6 36.55,-26.6 36.55,-29 38.496,-29 39.973,-30.477 40.7,-30.778 40.883,-31.617 40.5,-31.459 38.474,-31.459 36.041,-29.026 36.041,-23.474 36.224,-23.291 40.026,-23.291 40.209,-23.474 40.209,-26.25 40.367,-26.633 41.417,-27.683 41.8,-27.841

## Silkscreen, mask and mechanical layers (free items; w line width, h text height)
Bottom Solder:
  the board outline again, w0.2

## Dimensions
69,6.5 to 69,-81 on Bottom Layer
-6.5,6.5 to 69,6.5 on Bottom Layer